# Altium PCB Bien_Quang_Cao_ver2_pcb.PcbDoc (part 1 of 2)
Units mil, origin at the board's own origin, x right, y up, seen from the top; angles counter-clockwise.
Board outline 8661.42 x 3937.01 mil, 2 copper layers (Top Layer, Bottom Layer); 176 components, 159 nets, 499 pads, 189 vias.
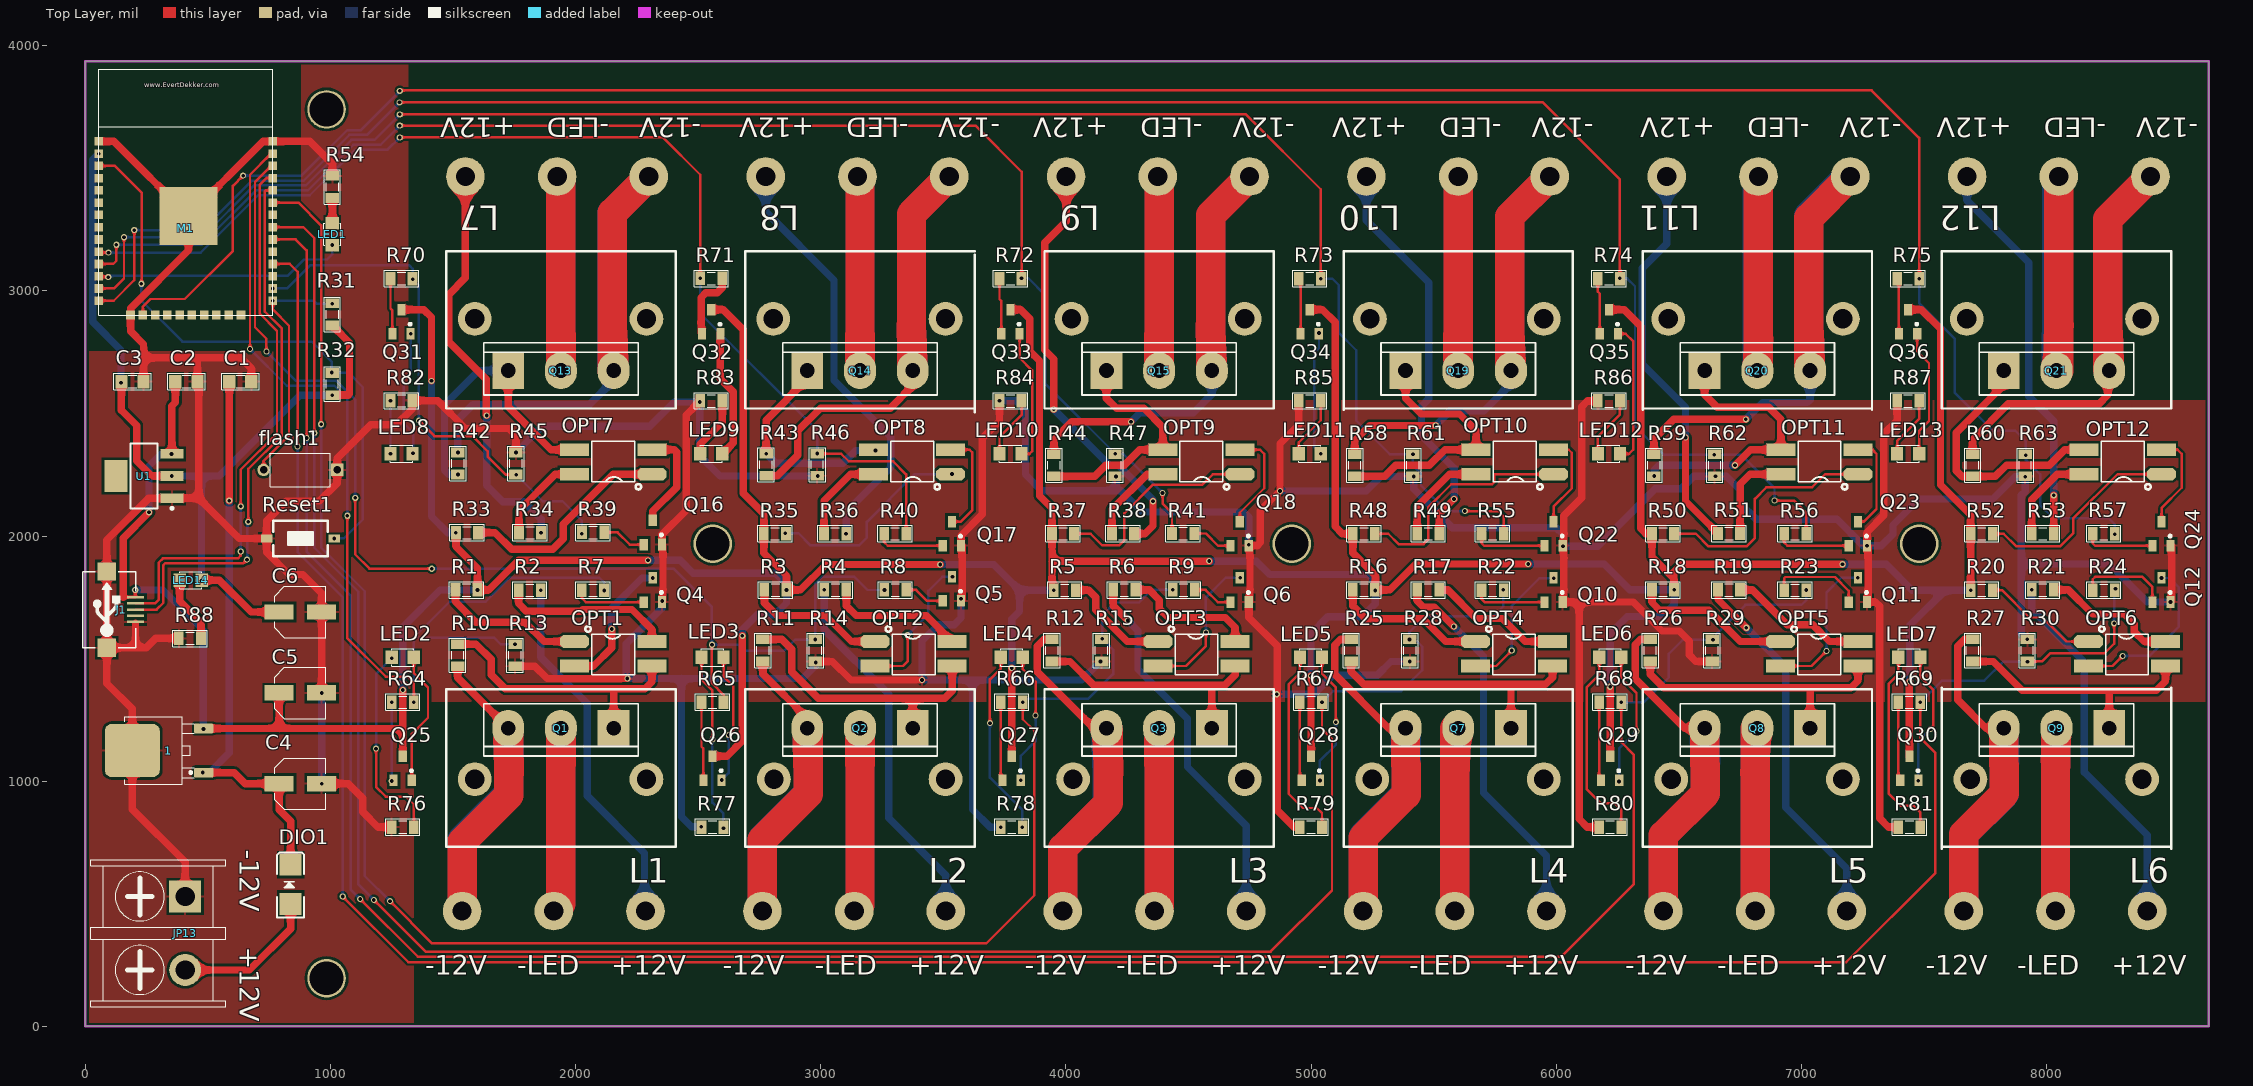
[diagram p0: Top Layer view]
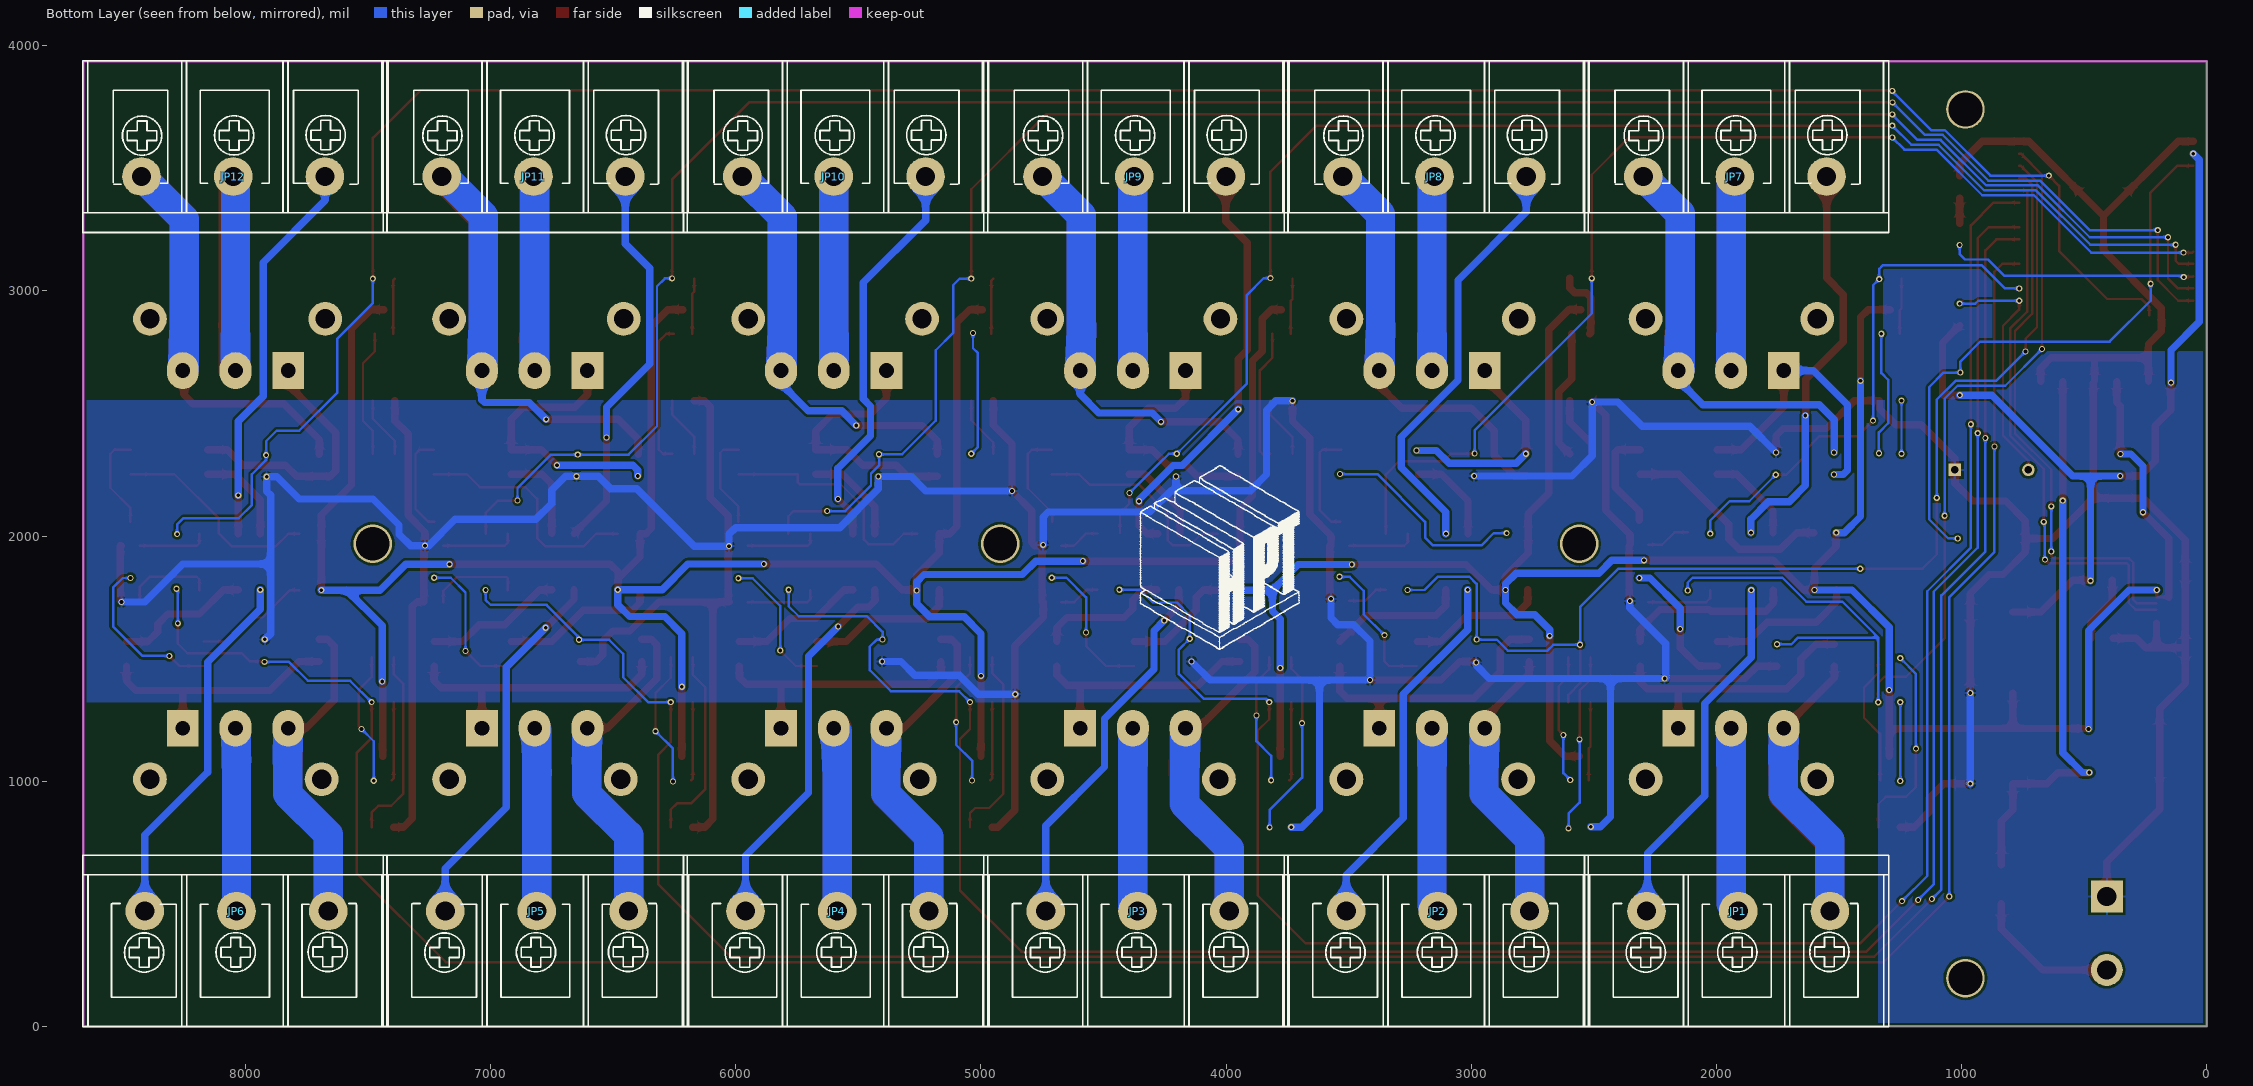
[diagram p1: Bottom Layer view, seen from below]
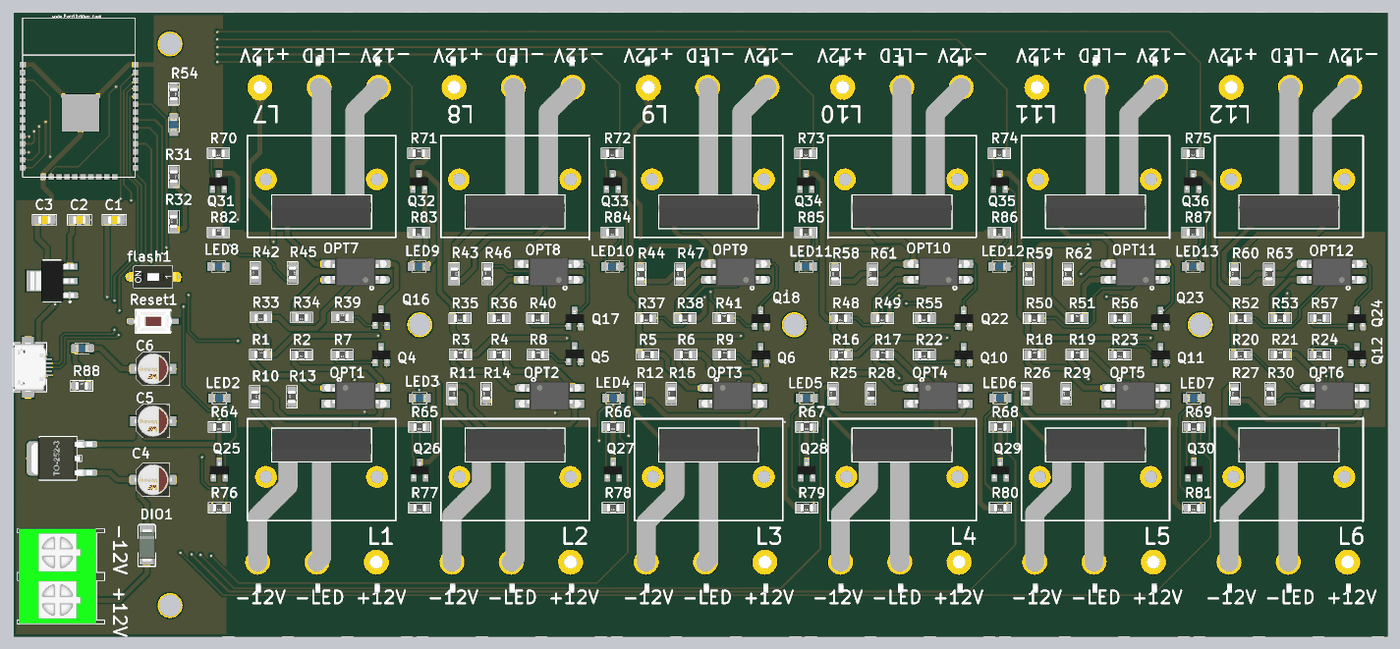
[diagram p3: 3D render of the assembled board from above, using the file's embedded part models]
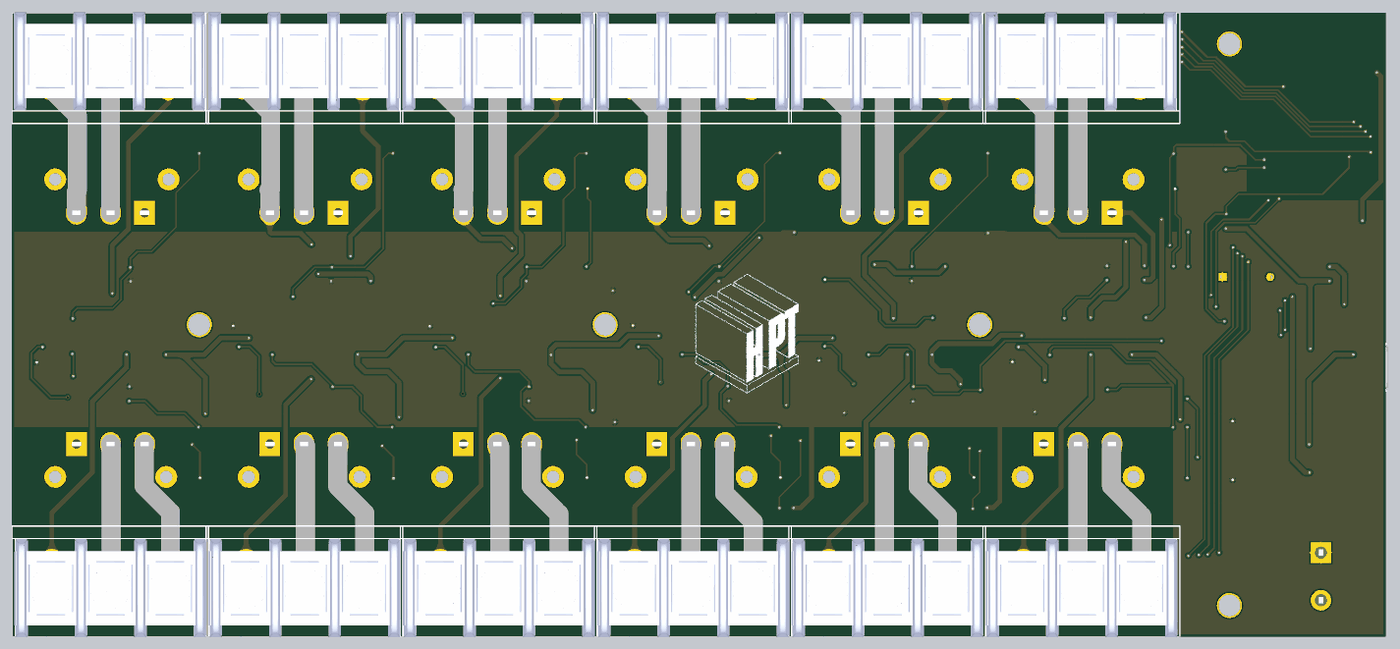
[diagram p4: 3D render of the assembled board from below, using the file's embedded part models]

## Layer stack, top to bottom
Top Solder: solder mask 0.4, Solder Resist, Dk 3.5
Top Layer: signal copper 1.4
Dielectric 1: dielectric 12.6, FR-4, Dk 4.8
Bottom Layer: signal copper 1.4
Bottom Solder: solder mask 0.4, Solder Resist, Dk 3.5

## Board outline
0,0 0,3937.01 8661.42,3937.01 8661.42,0

## Design rules (kind name [scope] priority, off if disabled: settings)
Clearance [All] p1: gap=10
PolygonConnect [All] p1: connectstyle=Relief reliefconductorwidth=10 reliefentries=4 polygonreliefangle="90 Angle" airgapwidth=10
RoomDefinition Bien_Quang_Cao_ver2_schematic [InComponentClass('Bien_Quang_Cao_ver2_schematic')] p1: confinementstyle=ConfineIn formatcopy=TRUE lockcomponents=FALSE outline 9102.46,-20.25 23392.46,-20.25 23392.46,1299.75 9102.46,1299.75
RoutingVias [All] p1: holewidth=15 width=25 viastyle="Through Hole" minholewidth=15 minwidth=25 maxholewidth=28 maxwidth=50
SolderMaskExpansion [All] p1: expansion=4
Width [All] p1: maxlimit=150 minlimit=10 preferedwidth=10
30 further rules are at their usual default settings.

## Components (designator, comment, footprint, x,y, rotation, side; value= is the part's Value field where it differs from the comment)
1 "LM78xx" TO252-123 337.54,1125.26 r90 top
C1 "104" SM-CAP-0805 677.54,2630.26 r180 top
C2 "104" SM-CAP-0805 457.54,2630.26 r180 top
C3 "104" SM-CAP-0805 237.54,2630.26 r180 top
C4 "CN-ALU-SMD" CAP-ALU-SMD-5x5.5x1.4 877.54,990.26 r0 top
C5 "CN-ALU-SMD" CAP-ALU-SMD-5x5.5x1.4 877.54,1360.26 r0 top
C6 "CN-ALU-SMD" CAP-ALU-SMD-5x5.5x1.4 877.54,1690.26 r0 top
DIO1 "Diode SMD" DIO-SMD-106 837.54,580 r270 top
flash1 "SW" SW-DIP1 877.54,2270 r90 top
J1 "USB-5" USB-M1 205,1700 r90 top
JP1 "JP3" "CON 3/9.5mm - CHAN LECH" 2285,470.5 r180 bottom
JP2 "JP3" "CON 3/9.5mm - CHAN LECH" 3509.98,470.5 r180 bottom
JP3 "JP3" "CON 3/9.5mm - CHAN LECH" 4734.97,470.5 r180 bottom
JP4 "JP3" "CON 3/9.5mm - CHAN LECH" 5959.95,470.5 r180 bottom
JP5 "JP3" "CON 3/9.5mm - CHAN LECH" 7184.93,470.5 r180 bottom
JP6 "JP3" "CON 3/9.5mm - CHAN LECH" 8409.92,470.5 r180 bottom
JP7 "JP3" "CON 3/9.5mm - CHAN LECH" 1550.54,3466.51 r0 bottom
JP8 "JP3" "CON 3/9.5mm - CHAN LECH" 2775.52,3466.51 r0 bottom
JP9 "JP3" "CON 3/9.5mm - CHAN LECH" 4000.5,3466.51 r0 bottom
JP10 "JP3" "CON 3/9.5mm - CHAN LECH" 5225.49,3466.51 r0 bottom
JP11 "JP3" "CON 3/9.5mm - CHAN LECH" 6450.47,3466.51 r0 bottom
JP12 "JP3" "CON 3/9.5mm - CHAN LECH" 7675.45,3466.51 r0 bottom
JP13 "JP2" "CON 2/7.62mm" 407.54,530.26 r270 top
LED1 "LED" LED-0805-Blue 1007.5,3186 r90 top
LED2 "LED" LED-0805-Blue 1340,1505 r180 top
LED3 "LED" LED-0805-Blue 2603.48,1505 r180 top
LED4 "LED" LED-0805-Blue 3823.86,1505 r180 top
LED5 "LED" LED-0805-Blue 5044.24,1505 r180 top
LED6 "LED" LED-0805-Blue 6264.62,1505 r180 top
LED7 "LED" LED-0805-Blue 7485,1505 r180 top
LED8 "LED" LED-0805-Blue 1335,2335.69 r180 top
LED9 "LED" LED-0805-Blue 2598.48,2335.69 r180 top
LED10 "LED" LED-0805-Blue 3818.86,2335.69 r180 top
LED11 "LED" LED-0805-Blue 5039.24,2335.69 r180 top
LED12 "LED" LED-0805-Blue 6259.62,2335.69 r180 top
LED13 "LED" LED-0805-Blue 7480,2335.69 r180 top
LED14 "LED" LED-0805-Blue 475,1820 r180 top
M1 "ESP32S_Module" ESP32S 55,2900 r0 top
OPT1 "PC817" "DIP-4 SMD" 1996.04,1570 r0 top
OPT2 "PC817" "DIP-4 SMD" 3221.04,1570 r0 top
OPT3 "PC817" "DIP-4 SMD" 4375,1570 r0 top
OPT4 "PC817" "DIP-4 SMD" 5670.04,1570 r0 top
OPT5 "PC817" "DIP-4 SMD" 6915,1570 r0 top
OPT6 "PC817" "DIP-4 SMD" 8170,1570 r0 top
OPT7 "PC817" "DIP-4 SMD" 2311,2252.2 r180 top
OPT8 "PC817" "DIP-4 SMD" 3530,2252.2 r180 top
OPT9 "PC817" "DIP-4 SMD" 4709.96,2252.2 r180 top
OPT10 "PC817" "DIP-4 SMD" 5988,2252.2 r180 top
OPT11 "PC817" "DIP-4 SMD" 7231,2252.2 r180 top
OPT12 "PC817" "DIP-4 SMD" 8468,2252.2 r180 top
Q1 "IRF9540" TO247 1940.04,1221.32 r180 top
Q2 "IRF9540" TO247 3160.04,1221.32 r180 top
Q3 "IRF9540" TO247 4380.04,1221.32 r180 top
Q4 "C1815" SOT23B 2315,1780 r0 top
Q5 "C1815" SOT23B 3535,1785 r0 top
Q6 "C1815" SOT23B 4708.96,1780 r0 top
Q7 "IRF9540" TO247 5600.04,1221.32 r180 top
Q8 "IRF9540" TO247 6820.04,1221.32 r180 top
Q9 "IRF9540" TO247 8040.04,1221.32 r180 top
Q10 "C1815" SOT23B 5989,1780 r0 top
Q11 "C1815" SOT23B 7230,1780 r0 top
Q12 "C1815" SOT23B 8468.48,1780 r0 top
Q13 "IRF9540" TO247 1940.04,2670 r0 top
Q14 "IRF9540" TO247 3160.04,2670 r0 top
Q15 "IRF9540" TO247 4380.04,2670 r0 top
Q16 "C1815" SOT23B 2315,2014.5 r0 top
Q17 "C1815" SOT23B 3535,2010 r0 top
Q18 "C1815" SOT23B 4708.96,2010 r0 top
Q19 "IRF9540" TO247 5600.04,2670 r0 top
Q20 "IRF9540" TO247 6820.04,2670 r0 top
Q21 "IRF9540" TO247 8040.04,2670 r0 top
Q22 "C1815" SOT23B 5989,2010 r0 top
Q23 "C1815" SOT23B 7230,2010 r0 top
Q24 "C1815" SOT23B 8468.48,2010 r0 top
Q25 "C1815" SOT23B 1295,1053 r0 top
Q26 "C1815" SOT23B 2558.48,1053 r0 top
Q27 "C1815" SOT23B 3778.86,1053 r0 top
Q28 "C1815" SOT23B 4999.24,1053 r0 top
Q29 "C1815" SOT23B 6219.62,1053 r0 top
Q30 "C1815" SOT23B 7440,1053 r0 top
Q31 "C1815" SOT23B 1290,2874.26 r0 top
Q32 "C1815" SOT23B 2553.48,2874.26 r0 top
Q33 "C1815" SOT23B 3773.86,2874.26 r0 top
Q34 "C1815" SOT23B 4994.24,2874.26 r0 top
Q35 "C1815" SOT23B 6214.62,2874.26 r0 top
Q36 "C1815" SOT23B 7435,2874.26 r0 top
R1 "1K" RES-SMD-0805 1555.04,1780.5 r0 top
R2 "1K" RES-SMD-0805 1812.84,1779.5 r180 top
R3 "1K" RES-SMD-0805 2815,1780.5 r0 top
R4 "1K" RES-SMD-0805 3059.48,1780.5 r0 top
R5 "1K" RES-SMD-0805 3995.04,1779.5 r180 top
R6 "1K" RES-SMD-0805 4237.49,1780.5 r0 top
R7 "1K" RES-SMD-0805 2070.64,1779.5 r180 top
R8 "1K" RES-SMD-0805 3303.96,1780.5 r0 top
R9 "1K" RES-SMD-0805 4479.95,1780.5 r0 top
R10 "10K" RES-SMD-0805 1519.04,1514 r270 top
R11 "10K" RES-SMD-0805 2764,1533.6 r270 top
R12 "10K" RES-SMD-0805 3943.04,1533.6 r90 top
R13 "10K" RES-SMD-0805 1753,1514 r90 top
R14 "10K" RES-SMD-0805 2978.24,1533.6 r90 top
R15 "10K" RES-SMD-0805 4145.24,1533.6 r90 top
R16 "1K" RES-SMD-0805 5215.04,1780.5 r0 top
R17 "1K" RES-SMD-0805 5477.51,1780.5 r0 top
R18 "1K" RES-SMD-0805 6435.04,1780.5 r0 top
R19 "1K" RES-SMD-0805 6704.51,1780.5 r0 top
R20 "1K" RES-SMD-0805 7735,1779.5 r180 top
R21 "1K" RES-SMD-0805 7983.97,1780.5 r0 top
R22 "1K" RES-SMD-0805 5739.97,1779.5 r180 top
R23 "1K" RES-SMD-0805 6973.98,1779.5 r180 top
R24 "1K" RES-SMD-0805 8232.95,1779.5 r180 top
R25 "10K" RES-SMD-0805 5163.04,1533.6 r90 top
R26 "10K" RES-SMD-0805 6383.04,1533.6 r90 top
R27 "10K" RES-SMD-0805 7698,1533.6 r90 top
R28 "10K" RES-SMD-0805 5402.76,1533.6 r90 top
R29 "10K" RES-SMD-0805 6635.24,1533.6 r90 top
R30 "10K" RES-SMD-0805 7921.22,1533.6 r270 top
R31 "10K" RES-SMD-0805 1008,2904 r270 top
R32 "10K" RES-SMD-0805 1007,2620 r90 top
R33 "1K" RES-SMD-0805 1557,2014 r180 top
R34 "1K" RES-SMD-0805 1814.15,2014 r180 top
R35 "1K" RES-SMD-0805 2813.04,2009.5 r180 top
R36 "1K" RES-SMD-0805 3058.17,2009.5 r180 top
R37 "1K" RES-SMD-0805 3988,2009.5 r180 top
R38 "1K" RES-SMD-0805 4232.8,2009.5 r180 top
R39 "1K" RES-SMD-0805 2071.3,2015 r0 top
R40 "1K" RES-SMD-0805 3303.31,2009.5 r180 top
R41 "1K" RES-SMD-0805 4477.6,2010.5 r0 top
R42 "10K" RES-SMD-0805 1520,2296 r90 top
R43 "10K" RES-SMD-0805 2777.04,2291 r270 top
R44 "10K" RES-SMD-0805 3951,2288.6 r90 top
R45 "10K" RES-SMD-0805 1756.76,2296 r270 top
R46 "10K" RES-SMD-0805 2985.24,2291 r90 top
R47 "10K" RES-SMD-0805 4200,2288.6 r90 top
R48 "1K" RES-SMD-0805 5215.04,2009.5 r180 top
R49 "1K" RES-SMD-0805 5477.51,2009.5 r180 top
R50 "1K" RES-SMD-0805 6435.04,2009.5 r180 top
R51 "1K" RES-SMD-0805 6704.51,2010.5 r0 top
R52 "1K" RES-SMD-0805 7735,2009.5 r180 top
R53 "1K" RES-SMD-0805 7983.97,2009.5 r180 top
R54 "10K" RES-SMD-0805 1008,3424 r270 top
R55 "1K" RES-SMD-0805 5739.97,2009.5 r180 top
R56 "1K" RES-SMD-0805 6973.98,2009.5 r180 top
R57 "1K" RES-SMD-0805 8232.95,2010 r180 top
R58 "10K" RES-SMD-0805 5178.04,2288.6 r90 top
R59 "10K" RES-SMD-0805 6398.04,2288.6 r90 top
R60 "10K" RES-SMD-0805 7698,2288.6 r90 top
R61 "10K" RES-SMD-0805 5415.26,2288.6 r90 top
R62 "10K" RES-SMD-0805 6645.76,2288.6 r90 top
R63 "10K" RES-SMD-0805 7912.48,2288.6 r90 top
R64 "1K" RES-SMD-0805 1295,1322.68 r180 top
R65 "1K" RES-SMD-0805 2558.48,1322.68 r180 top
R66 "1K" RES-SMD-0805 3778.86,1322.68 r180 top
R67 "1K" RES-SMD-0805 4999.24,1322.68 r180 top
R68 "1K" RES-SMD-0805 6219.62,1322.68 r180 top
R69 "1K" RES-SMD-0805 7440,1322.68 r180 top
R70 "1K" RES-SMD-0805 1290,3050.05 r180 top
R71 "1K" RES-SMD-0805 2553.48,3051.05 r0 top
R72 "1K" RES-SMD-0805 3773.86,3050.05 r180 top
R73 "1K" RES-SMD-0805 4994.24,3050.05 r180 top
R74 "1K" RES-SMD-0805 6214.62,3050.05 r180 top
R75 "1K" RES-SMD-0805 7435,3050.05 r180 top
R76 "1K" RES-SMD-0805 1295,813 r180 top
R77 "1K" RES-SMD-0805 2558.48,813 r180 top
R78 "1K" RES-SMD-0805 3778.86,813 r180 top
R79 "1K" RES-SMD-0805 4999.24,813 r180 top
R80 "1K" RES-SMD-0805 6219.62,813 r180 top
R81 "1K" RES-SMD-0805 7440,813 r180 top
R82 "1K" RES-SMD-0805 1290,2552.32 r0 top
R83 "1K" RES-SMD-0805 2553.48,2551.32 r180 top
R84 "1K" RES-SMD-0805 3773.86,2551.32 r180 top
R85 "1K" RES-SMD-0805 4994.24,2551.32 r180 top
R86 "1K" RES-SMD-0805 6214.62,2551.32 r180 top
R87 "1K" RES-SMD-0805 7435,2551.32 r180 top
R88 "10K" RES-SMD-0805 427,1583 r0 top
Reset1 "SW" SW1-SMD 877.54,1990.26 r180 top
U1 "LM1117-3.3V" SOT223 239.26,2245 r90 top

## Footprints (in the part's own frame and the unit in brackets; to place one, negate y for a bottom-side part, rotate by r counter-clockwise, add the part's x,y. Pads: shape width x height; smd on the part's side, far side on the other; paste and mask are expansions set on the pad)
CAP-ALU-SMD-5x5.5x1.4 [mm]
  rect 3x1.6 smd: 1(-2.2,0) 2(2.2,0)
  silkscreen extent -2.65,-2.65 2.65,2.65, body extent -3,-2.65 3,2.65, height 5.45
"CON 2/7.62mm" [mm] "CON 2 HB9500-2P 9.5MM"
  rect 3.3x3.3 hole 2: 1(0,0)
  round 3.3 hole 2: 2(7.62,0)
  silkscreen extent -3.81,-9.78 11.43,4.19, body extent -3.84,-9.63 11.4,2.87, height 12.5
"CON 3/9.5mm - CHAN LECH" [mm] "CON 2 HB9500-2P 9.5MM"
  round 4 hole 2: 1(0,0) 2(9.5,0) 3(19,0)
  silkscreen extent -6.43,-11.99 25.08,5.79, body extent -5.99,-12.07 24.74,3.68, height 16.76
DIO-SMD-106 [mil]
  rect 90x90.55 smd: 1(80,0) 2(-80,0)
  silkscreen extent -130,-55 135,55, body extent -99,-50 106,52, height 95
"DIP-4 SMD" [mm]
  oct 3x1.3 smd: 1(0,0)
  rect 3x1.3 smd: 2(0,-2.54) 3(8,-2.54) 4(8,0)
  silkscreen extent 1.11,-3.43 6.22,1.58, body extent -1,-3.56 9,1.02, height 3.75
ESP32S [mm] "ESP32S-Module"
  rect 0.9x0.9 smd: 1(0,18.034) 2(0,16.764) 3(0,15.494) 4(0,14.224) 5(0,12.954) 6(0,11.684) 7(0,10.414) 8(0,9.144) 9(0,7.874) 10(0,6.604) 11(0,5.334) 12(0,4.064) 13(0,2.794) 14(0,1.524) 15(3.3,0.034) 16(4.57,0.034) 17(5.84,0.034) 18(7.11,0.034) 19(8.38,0.034) 20(9.65,0.034) 21(10.92,0.034) 22(12.19,0.034) 23(13.46,0.034) 24(14.73,0.034) 25(18.034,1.524) 26(18.034,2.794) 27(18.034,4.064) 28(18.034,5.334) 29(18.034,6.604) 30(18.034,7.874) 31(18.034,9.144) 32(18.034,10.414) 33(18.034,11.684) 34(18.034,12.954) 35(18.034,14.224) 36(18.034,15.494) 37(18.034,16.764) 38(18.034,18.034)
  rect 6x6 smd: 101(9.3,10.3)
  silkscreen extent 0,0 18.03,25.53, body extent 0,0 18.03,25.53, height 2
LED-0805-Blue [mil]
  rect 50x55 smd: 1(0,0) 2(90,0)
  silkscreen extent 0,-35 90,35, body extent 5,-25 85,25, height 43
RES-SMD-0805 [mil]
  rect 39.37x55 smd: 1(-45,0) 2(45,0)
  silkscreen extent -70,-34 70,33, body extent -39,-25 39,25, height 31
SM-CAP-0805 [mil]
  rect 50x55 smd: 1(0,0) 2(90,0)
  silkscreen extent -32,-34 121,33, body extent 6,-25 84,25, height 31
SOT23B [mm] "SOT 23B"
  rect 0.85x1.2 smd: 1(0.94,-1.245) 2(0,1.25) 3(-0.95,-1.25)
  silkscreen extent 0.77,-0.38 1.02,-0.13, body extent -1.5,-1.3 1.5,1.2, height 1.06
SOT223 [mm]
  rect 1x2.4 smd: 1(-2.3,-2.9) 2(0,-2.9) 3(2.3,-2.9)
  rect 3.3x2.4 smd: 4(0,2.9)
  silkscreen extent -3.47,-3.03 3.35,1.4, body extent -3.25,-3.56 3.25,3.4, height 1.68
SW1-SMD [mm]
  rect 1.2x0.8 smd: 1(-3.5,0) 2(3.5,0)
  silkscreen extent -2.82,-1.85 2.82,1.85, body extent -3.05,-1.85 3.05,1.85, height 2.5
SW-DIP1 [mm]
  rect 1.3x1.3 hole 0.8: 1(0,-3.81)
  round 1.3 hole 0.8: 2(0,3.81)
  silkscreen extent -1.74,-3.1 1.74,3.1, body extent -1.74,-3.98 1.74,3.89, height 3.95
TO247 [mil] "TO247"
  rect 130x150 hole 60: 1(-215,5)
  oval 130x150 hole 60: 2(0,5) 3(215,5)
  silkscreen extent -315,-95 315,118, body extent -315,-82 315,115, height 1400
TO252-123 [mm]
  round 0.5 on Mech15: 0(0,0)
  rrect25% 1x2 smd: 1(-2.285,-3.7) 3(2.285,-3.7)
  rrect25% 5.5x5.7 smd: 2(0,3.7)
  silkscreen extent -3.5,-2.7 3.5,4.5, body extent -3.3,-3.95 3.3,5.76, height 2.31
USB-M1 [mil]
  rect 10x70 smd: 1(51.18,0) 2(25.59,0) 3(0,0) 4(-25.59,0) 5(-50,0)
  rect 74.8x74.8 smd: 5(-155.51,116.84) 5(155.51,116.84)
  silkscreen extent -155,-1 155,215, body extent -157,5 158,218, height 107

## Part data
1: "Positive Voltage Regulator"
C1 C2 C3: library part CN
C4 C5 C6: "Polarized Capacitor (Axial)"
DIO1: "Default Diode"
flash1 Reset1: library part SW2, "Switch button 2 pin"
JP1 JP2 JP3 JP4 JP5 JP6 JP7 JP8 JP9 JP10 JP11 JP12: library part Con3, "Connector 3"
JP13: library part Con2, "Connector 2"
LED1 LED2 LED3 LED4 LED5 LED6 LED7 LED8 LED9 LED10 LED11 LED12 LED13 LED14: library part "LED SMD"
M1: "Esp-32S"
OPT1 OPT2 OPT3 OPT4 OPT5 OPT6 OPT7 OPT8 OPT9 OPT10 OPT11 OPT12: "OptoAcoplador 4 terminais"
Q1 Q2 Q3 Q7 Q8 Q9 Q13 Q14 Q15 Q19 Q20 Q21: "HEXFET P-Channel Power MOSFET"
Q4 Q5 Q6 Q10 Q11 Q12 Q16 Q17 Q18 Q22 Q23 Q24 Q25 Q26 Q27 Q28 Q29 Q30 Q31 Q32 Q33 Q34 Q35 Q36: "NPN 600mW, ECB"
R1 R2 R3 R4 R5 R6 R7 R8 R9 R10 R11 R12 R13 R14 R15 R16 R17 R18 R19 R20 R21 R22 R23 R24 R25 R26 R27 R28 R29 R30 R31 R32 R33 R34 R35 R36 R37 R38 R39 R40 R41 R42 R43 R44 R45 R46 R47 R48 R49 R50 R51 R52 R53 R54 R55 R56 R57 R58 R59 R60 R61 R62 R63 R64 R65 R66 R67 R68 R69 R70 R71 R72 R73 R74 R75 R76 R77 R78 R79 R80 R81 R82 R83 R84 R85 R86 R87 R88: library part Res-SMD, "Resistor"
U1: library part LM1117, "800mA Low-Dropout Linear Regulator"

## Free pads (board coordinates)
  round 157.48 hole 137.8: ""(984.25,196.85) ""(984.25,3740.16) ""(2559.06,1968.5) ""(4921.26,1968.5) ""(7480.32,1968.5)
  round 137.8 hole 78.74: ""(1588.88,1008.18) ""(1588.88,2885.82) ""(2288.88,1008.18) ""(2288.88,2885.82) ""(2805.88,2885.82) ""(2808.88,1008.18) ""(3508.88,1008.18) ""(3508.88,2885.82) ""(4022.88,2885.82) ""(4028.88,1008.18) ""(4728.88,1008.18) ""(4728.88,2885.82) ""(5239.88,2885.82) ""(5248.88,1008.18) ""(5948.88,1008.18) ""(5948.88,2885.82) ""(6456.88,2885.82) ""(6468.88,1008.18) ""(7168.88,1008.18) ""(7168.88,2885.82) ""(7673.88,2885.82) ""(7688.88,1008.18) ""(8388.88,1008.18) ""(8388.88,2885.82)

## Via types
v1: diameter 25, hole 15, Top Layer to Bottom Layer, tented both sides, 189 vias

## Nets (pads, with @x,y where several pads share a name; then routed paths per layer and width w, separated by ;. In a path a pad name is that pad's centre, name@x,y a point inside that pad or via, vN(x,y) a via of type N, cw(c..) or ccw(c..) an arc to the next point about the centre after c; other vN are vias at no path point)
3.3V: C3.2 C6.1 LED14.1 M1.2 R31.2 R32.1 U1.2 | length 3479.2
  Top Layer w30: C3.2@147.54,2630.26 147.54,2513.46 210,2451 210,2306 271,2245 v1(353.44,2245) ; LED14.1@475,1820 547,1820 676.74,1690.26 C6.1@790.92,1690.26 ; v1(1007,2575) 1073,2575 1078,2580 1078,2789 R31.2@1008,2859
  Bottom Layer w30: v1(55,3560) 30,3535 30,2874 146,2758 v1(146,2626) ; v1(353.44,2245) 474,2245 ; v1(474,1818) 474,2245 ; v1(1007,2575) 876,2575 546,2245 474,2245
5V: 1.3 C2.2 C5.1 J1.1 Q25.2 Q26.2 Q27.2 Q28.2 Q29.2 Q30.2 Q31.2 Q32.2 Q33.2 Q34.2 Q35.2 Q36.2 R1.2 R3.2 R5.2 R16.2 R18.2 R20.2 R33.2 R35.2 R37.2 R48.2 R50.2 R52.2 U1.3 | length 22033.9
  Top Layer w10: 154.82,1751.18 J1.1@205,1751.18 204,1752.18 v1(204,1780)
  Top Layer w30: 154.82,1751.18 154.82,1991.82 v1(260,2097) ; U1.3@353.44,2335.55 353.44,2530.44 367.54,2544.54 C2.2@367.54,2630.26 ; 1.3@483.21,1215.22 790.92,1215.22 ; C5.1@790.92,1360.26 790.92,1215.22 ; Q31.2@1290,2923.47 1380.53,2923.47 1412,2892 v1(1412,2633) ; Q25.2@1295,1102.21 1295,1215.22 ; v1(1295.32,1372) 1295.32,1215.53 1295,1215.22 ; R33.2@1512,2014 1512,1957 1600.03,1868.97 R1.2@1600.03,1780.5 1646.5,1780.5 1767,1901 v1(2295,1901) ; Q32.2@2553.48,2923.47 2601.53,2923.47 2684,2841 2684,2175 2768.04,2090.96 R35.2@2768.04,2009.5 2768.04,1930.96 2860,1839 R3.2@2860,1780.5 2917.5,1780.5 3021,1884 v1(3487,1884) ; Q26.2@2558.48,1102.21 2617.21,1102.21 2680,1165 v1(2680,1593) ; Q33.2@3773.86,2923.47 3815.53,2923.47 3852.59,2886.41 3852.59,2754.41 3892,2715 3892,2164 3943,2113 R37.2@3943,2009.5 3943,1898.02 ; Q27.2@3778.86,1102.21 v1(3778.86,1462.14) ; v1(3950.04,1779.5) 3943,1786.54 3943,1898.02 ; v1(4584.02,1898.02) 3943,1898.02 ; Q34.2@4994.24,2923.47 5046.53,2923.47 5098,2872 5098,2039 5127.5,2009.5 R48.2@5170.04,2009.5 5170.04,1931.96 5262,1840 R16.2@5262,1780.5 ; Q28.2@4999.24,1102.21 v1(4999.24,1429.76) ; R16.2@5260.03,1780.5 R16.2@5262,1780.5 ; v1(5885,1886) 5427,1886 5321.5,1780.5 R16.2@5262,1780.5 ; Q35.2@6214.62,2923.47 6276.53,2923.47 6344,2856 6344,2031 6365.5,2009.5 R50.2@6390.04,2009.5 6390.04,1915.96 6480.03,1825.97 ; Q29.2@6219.62,1102.21 v1(6219.62,1385.62) ; R18.2@6480.03,1780.5 6480.03,1825.97 ; v1(7167,1885) 6511,1885 6480.03,1854.03 6480.03,1825.97 ; Q36.2@7435,2923.47 7488.53,2923.47 7567,2845 7567,2209 7690,2086 R52.2@7690,2009.5 v1(7690,1779.5) ; Q30.2@7440,1102.21 7440,1405 v1(7442,1407) ; 790.92,1215.22 1295,1215.22
  Bottom Layer w30: v1(204,1780) 317,1780 482,1615 v1(482,1213) ; v1(260,2097) 260,2286 309,2335 v1(352,2335) ; v1(1295.32,1372) 1295.32,1627.68 1295,1628 1447,1780 v1(1599.53,1780) ; v1(1412,2633) 1412,2080 1478,2014 v1(1511,2014) ; v1(2295,1901) 2427,1901 2479,1849 2816,1849 2860,1805 v1(2860,1780) 2860,1727 2812,1679 2741,1679 2680,1618 v1(2680,1593) ; v1(3487,1884) 3706,1884 3810.5,1779.5 ; v1(3778.86,1462.14) 3778.86,1661.86 3810.5,1693.5 3810.5,1779.5 ; v1(3950.04,1779.5) 3810.5,1779.5 ; v1(4584.02,1898.02) 4775.98,1898.02 4831,1843 5232,1843 5262,1813 v1(5262,1778) 5262,1724 5209,1671 5068,1671 4999.24,1602.24 v1(4999.24,1429.76) ; v1(5885,1886) 6195,1886 6300,1781 v1(6481,1781) 6481,1720 6433,1672 6290,1672 6219.62,1601.62 v1(6219.62,1385.62) ; v1(7167,1885) 7345,1885 7450.5,1779.5 7586.5,1779.5 ; v1(7442,1407) 7442,1635 7586.5,1779.5 ; v1(7690,1779.5) 7586.5,1779.5
12V: DIO1.1 JP13.2 | length 601.2
  Top Layer w30: JP13.2@407.54,230.26 669.26,230.26 837.54,398.54 DIO1.1@837.54,500
GND: 1.2 C1.1 C2.1 C3.1 C4.2 C5.2 C6.2 flash1.1 J1.5 JP13.1 M1.1 M1.15 M1.38 M1.101 Q4.1 Q5.1 Q6.1 Q10.1 Q11.1 Q12.1 Q16.1 Q17.1 Q18.1 Q22.1 Q23.1 Q24.1 R13.1 R14.1 R15.1 R28.1 R29.1 R30.1 R45.1 R46.1 R47.1 R54.1 R61.1 R62.1 R63.1 R76.2 R77.2 R78.2 R79.2 R80.2 R81.2 R82.2 R83.2 R84.2 R85.2 R86.2 R87.2 R88.1 Reset1.2 U1.1 | length 30784.4
  Top Layer w30: M1.1@55,3610 116.65,3610 M1.101@421.14,3305.51 ; 205,1644.41 205,1544.49 ; C3.1@237.54,2630.26 237.54,2727 ; R88.1@382,1583 288,1583 249.49,1544.49 205,1544.49 ; JP13.1@407.54,530.26 407.54,670.46 191.87,886.13 1.2@191.87,1125.26 191.87,1295.13 88.16,1398.84 J1.5@88.16,1544.49 ; C1.1@677.54,2630.26 677.54,2684.46 635,2727 459,2727 ; v1(964.15,990.26) 1072.74,990.26 1132,931 1132,875 1194,813 R76.2@1250,813 ; v1(964.15,1360.26) C6.2@964.15,1690.26 964.15,1765.85 887,1843 831,1843 739.74,1934.26 Reset1.2@739.74,1990.26 ; R54.1@1008,3469 1008,3518 916,3610 M1.38@765,3610 725.63,3610 M1.101@421.14,3305.51 ; R13.1@1753,1469 1834,1469 1884,1419 v1(2211,1419) ; v1(1756.76,2341) 1756.76,2409.24 1727,2439 1551,2439 1437.68,2552.32 R82.2@1335,2552.32 1335,2520 1269,2454 1164,2454 1027.54,2317.54 flash1.1@1027.54,2270 1027.54,2215.54 955,2143 820,2143 739.74,2062.74 Reset1.2@739.74,1990.26 ; Q4.1@2352,1731 2356.73,1731 2356.73,1960.77 Q16.1@2352,1965.5 2352,2006 2452,2106 2452,2358.57 2451,2359.57 2451,2493.84 R83.2@2505.58,2548.42 ; R14.1@2978.24,1488.6 3047.4,1488.6 3123,1413 v1(3413,1413) ; Q5.1@3572,1736 3576.73,1740.73 3576.73,1961 Q17.1@3572,1961 3572,2002 3659,2089 3659,2399 3728.86,2468.86 v1(3728.86,2551.32) ; Q18.1@4746,1961 4780,1961 4793,1974 4793,2104 v1(4873,2184) 4873,2377 4949.24,2453.24 R85.2@4949.24,2551.32 ; Q18.1@4750.69,1956.27 4750.69,1731 Q6.1@4745.96,1731 4745.96,1668.04 4862,1552 4862,882 4931,813 R79.2@4954.24,813 ; Q10.1@6026,1731 Q10.1@6030.73,1731 ; Q22.1@6030.73,1956.27 Q10.1@6030.73,1731 ; Q22.1@6030.73,1965.73 6030.73,2082.73 6104,2156 6104,2528 6127.32,2551.32 R86.2@6169.62,2551.32 ; R80.2@6174.62,813 6126,813 6093,846 6093,1731 ; R29.1@6635.24,1488.6 6569.4,1488.6 6542,1516 6542,1572 6501,1613 6431.18,1613 6313.18,1731 6093,1731 ; R87.2@7390,2551.32 7390,2471 7336,2417 7336,2085 7267,2016 v1(7267,1961) 7271.73,1956.27 7271.73,1731 7302,1731 7319,1714 7319,849 7355,813 R81.2@7395,813 ; v1(7920.6,1578.6) R30.1@7921.22,1578.6 ; Q24.1@8505.48,1961 8510.21,1961 Q12.1@8510.21,1735.73 ; J1.5@88.16,1544.49 205,1544.49 ; J1.5@88.16,1544.49 J1.5@88.16,1855.51 88.16,1984.16 258.45,2154.45 U1.1@353.44,2154.45 463.55,2154.45 ; 237.54,2727 459,2727 ; 237.54,2727 237.54,2782.46 184.92,2835.08 M1.15@184.92,2901.34 184.92,2929.92 421.14,3166.14 M1.101@421.14,3305.51 ; 459,2727 457.54,2725.54 C2.1@457.54,2630.26 463.55,2624.24 463.55,2154.45 ; 463.55,2154.45 627.74,1990.26 Reset1.2@739.74,1990.26 ; Q10.1@6030.73,1731 6093,1731
  Bottom Layer w30: v1(964.15,990.26) v1(964.15,1360.26) ; v1(1756.76,2341) 1863.76,2448 2303,2448 2402,2547 v1(2507,2547) 2507,2327 2589,2245 v1(2988,2245) ; v1(2353,1735) 2353,1707 2207,1561 2207,1419 v1(2211,1419) 2432,1419 ; v1(2512,814) 2473,814 2432,855 2432,1419 ; v1(2980,1484) 2980,1473 2926,1419 2432,1419 ; v1(3572,1744) 3572,1667 3544,1639 3480,1639 3413,1572 v1(3413,1413) 3619,1413 ; v1(3728.86,2551.32) 3796.68,2551.32 3835,2513 3835,2251 3901,2185 4204,2185 ; v1(3733.86,813) 3691,813 3619,885 3619,1413 ; v1(4140.6,1488.6) 4065,1413 3619,1413 ; v1(4204,2243) 4204,2185 ; v1(4746,1964) 4746,2078 4726,2098 4311,2098 4224,2185 4204,2185 ; v1(4860,1355) 5011,1355 5088,1432 5269,1432 5325.6,1488.6 v1(5402.76,1488.6) ; v1(4873,2184) 5225,2184 5284,2243 v1(5418,2243) 5418,2192 5576,2034 6000,2034 6027,2007 v1(6027,1959) 6169,1959 6403,2193 6510,2193 6561,2244 v1(6649,2244) 6694,2244 6750,2188 6750,2133 6815,2068 7145,2068 7252,1961 v1(7267,1961) 7326,1961 7373,2008 7373,2045 7479,2151 7780,2151 7871,2242 v1(7913,2242) 7913,2182 7897,2166 7897,1886 ; v1(7920.6,1578.6) 7897,1602.2 7897,1886 ; v1(8505,1731) 8410,1731 8255,1886 7897,1886
IO2: M1.24
IO5: M1.29
IO15: M1.23
L1: M1.37 R7.1 R13.2 R64.1 | length 4328.8
  Top Layer w10: v1(672,2763) 672,3473.65 758.35,3560 M1.37@765,3560 ; v1(1069,2083) 1069,1583 1226,1426 1314,1426 1340,1400 R64.1@1340,1322.68 v1(1340,1322)
  Bottom Layer w10: v1(672,2763) 822,2613 1016,2613 1069,2560 v1(1069,2083) ; v1(1340,1322) 1340,1586 ; v1(1753,1559) 1694,1559 1667,1586 1340,1586 ; v1(2117,1778) 2117,1810 2097,1830 1731,1830 1633,1732 1486,1732 1340,1586
L2: M1.36 R8.1 R14.2 R65.1 | length 4831.6
  Top Layer w10: v1(739,2753) 739,2805 692.28,2851.72 692.28,3443.93 758.35,3510 M1.36@765,3510 ; v1(1101,2156) 1101,1925 1159,1867 v1(1413,1867) ; v1(2556,1557) 2556,1400 2603.48,1352.52 R65.1@2603.48,1322.68
  Bottom Layer w10: v1(739,2753) 859,2633 1024.28,2633 1101,2556.28 v1(1101,2156) ; v1(1413,1867) 2400,1867 2556,1711 v1(2556,1557) 2665,1557 2689,1533 2851,1533 2896,1578 v1(2978,1578) 2978,1805 3008,1835 3136,1835 3191,1780 v1(3260,1780)
L3: M1.33 R9.1 R15.2 R66.1 | length 7699.3
  Top Layer w10: M1.33@765,3360 869,3360 962,3267 v1(962,2456) ; v1(1243,511) 1415,339 3675,339 3871,535 3871,1206 3823.86,1253.14 v1(3823.86,1322.68)
  Bottom Layer w10: v1(962,2456) 962,1953 1140,1775 1140,614 v1(1243,511) ; v1(3823.86,1322.68) 3838.18,1337 4092,1337 4192,1437 4192,1537 v1(4148,1581) 4148,1677 4200,1729 4298,1729 4350,1781 v1(4435,1781)
L4: M1.31 R22.1 R28.2 R67.1 | length 9018.8
  Top Layer w10: M1.31@765,3260 889,3260 934.5,3214.5 934.5,2420 v1(934,2420) ; v1(1177,516) 1388,305 4835,305 5085,555 5085,1172 5044.24,1212.76 v1(5044.24,1322.68)
  Bottom Layer w10: v1(934,2420) 934,1952.72 1114,1772.72 1114,579 v1(1177,516) ; v1(5044.24,1322.68) 5088.56,1367 5367,1367 5453,1453 5453,1549 5424,1578 v1(5401,1578) 5401,1609 5465,1673 5743,1673 5784,1714 v1(5784,1781)
L5: M1.30 R23.1 R29.2 R68.1 | length 10099.9
  Top Layer w10: M1.30@765,3210 858,3210 903,3165 v1(903,2400) ; v1(1121,520) 1356,285 6021,285 6315,579 6315,1109 6264.62,1159.38 v1(6264.62,1322.68)
  Bottom Layer w10: v1(903,2400) 903,1937 1082,1758 1082,559 v1(1121,520) ; v1(6264.62,1322.68) 6357.68,1322.68 6459,1424 6459,1520 6516,1577 v1(6639,1577) 6639,1587 6771,1719 6999,1719 7020,1740 v1(7020,1780)
L6: M1.28 R24.1 R30.2 R69.1 | length 11333.5
  Top Layer w10: M1.28@765,3110 834,3110 866,3078 v1(866,2365) ; v1(1050,530) 1318,262 7182,262 7546,626 7546,1116 7485,1177 v1(7485,1322.68) ; R30.2@7921.22,1488.6 7980.6,1488.6 8015,1523 8237,1523 8275,1561 v1(8275,1644)
  Bottom Layer w10: v1(866,2365) 866,1935 1050,1751 v1(1050,530) ; v1(7485,1322.68) 7572.32,1410 7745,1410 7822,1487 v1(7922,1487) ; v1(8275,1644) 8275,1779 v1(8281,1785)
L7: M1.26 R39.1 R45.2 R70.1 | length 2144
  Top Layer w10: v1(1361,2471) 1424,2408 1579,2408 1641,2346 1641,2324 1714,2251 R45.2@1756.76,2251 v1(1757.76,2250)
  Bottom Layer w10: v1(765,3010) 823,3010 917,3104 1322,3104 1336,3090 v1(1336,3048) 1361,3023 v1(1361,2471) ; v1(1757.76,2250) 1865.76,2142 1946,2142 2025,2063 v1(2025,2010)
L8: M1.10 R40.1 R46.2 R71.1 | length 4686.7
  Top Layer w10: M1.10@55,3160 59,3156 v1(95,3156) ; v1(1283,3626) 2356,3626 2508.48,3473.52 v1(2508.48,3051.05) ; R46.2@2986,2336 3083,2336 3114,2305 3295,2305 3348.31,2251.69 R40.1@3348.31,2009.5
  Bottom Layer w10: v1(95,3156) 471,3156 705,3390 915.85,3390 1101.85,3576 1233,3576 v1(1283,3626) ; v1(2508.48,3051.05) 2508.48,2908.52 2986,2431 v1(2986,2337)
L9: M1.11 R41.1 R47.2 R72.1 | length 5878.3
  Top Layer w10: M1.11@55,3110 114,3110 127,3123 v1(127,3188) ; v1(1283,3674) 3631,3674 3818.86,3486.14 R72.1@3818.86,3052 ; v1(4394,2176) 4394,2133 4432.6,2094.4 R41.1@4432.6,2010.5
  Bottom Layer w10: v1(127,3188) 474.72,3188 696.72,3410 907.57,3410 1093.57,3596 1205,3596 v1(1283,3674) ; v1(3819,3052) 3846,3052 3916,2982 3916,2621 v1(4201,2336) 4233,2336 4271,2298 4272,2298 v1(4394,2176)
L10: M1.13 R55.1 R61.2 R73.1 | length 7423.5
  Top Layer w10: M1.13@55,3010 117,3010 158,3051 v1(158,3219) ; v1(1283,3720) 4734,3720 5039.24,3414.76 R73.1@5039.24,3050.05 ; v1(5627,2102) 5764,2102 5784.98,2081.02 R55.1@5784.98,2009.5
  Bottom Layer w10: v1(158,3219) 477.43,3219 688.43,3430 899.28,3430 1085.28,3616 1179,3616 v1(1283,3720) ; v1(5039,3050) 5086,3050 5113,3023 5113,2829 5184,2758 5184,2471 5321.4,2333.6 v1(5415.26,2333.6) 5415.26,2288.17 5448,2255.43 5448,2207 5553,2102 v1(5627,2102)
L11: M1.14 R56.1 R62.2 R74.1 | length 8799.3
  Top Layer w10: M1.14@55,2960 116,2960 200,3044 v1(200,3248) ; v1(1282,3769) 5945,3769 6259.62,3454.38 R74.1@6259.62,3051 ; v1(6890,2145) 6970,2145 7018.98,2096.02 R56.1@7018.98,2009.5
  Bottom Layer w10: v1(200,3248) 478.15,3248 680.15,3450 891,3450 1077,3636 1149,3636 v1(1282,3769) ; v1(6259,3051) 6289,3051 6321,3019 6321,2448 6437,2332 v1(6644,2332) 6754,2332 6890,2196 v1(6890,2145)
L12: M1.16 R57.1 R63.2 R75.1 | length 10018.9
  Top Layer w10: M1.16@234.92,2901.34 234.92,2935.92 266,2967 406,2967 602,3163 602,3428 v1(644,3470) ; v1(1283,3816) 1281,3818 7286,3818 7480,3624 v1(7480,3050.05)
  Bottom Layer w10: v1(644,3470) 882.72,3470 1068.72,3656 1124,3656 1284,3816 v1(1283,3816) ; v1(7480,3050.05) 7480,2950 7626,2804 7626,2584 7780,2430 7872,2430 7915,2387 v1(7915,2330) 7915,2310 7973,2252 7973,2127 8027,2073 8252,2073 8278,2047 v1(8278,2008)
Net1_1: 1.1 C1.2 C4.1 DIO1.2 | length 2331.6
  Top Layer w30: 1.1@483.21,1035.3 607.7,1035.3 652.74,990.26 C4.1@790.92,990.26 790.92,884.08 837.54,837.46 DIO1.2@837.54,660 ; v1(587.54,2144.46) C1.2@587.54,2630.26
  Bottom Layer w30: v1(479,1036) 507,1036 587.54,1116.54 v1(587.54,2144.46)
Netflash1_2: flash1.2 M1.25 R31.1 | length 1023.7
  Top Layer w10: flash1.2@727.54,2270 727.54,2306.54 831,2410 831,2858 765,2924 v1(765,2960) ; R31.1@997,2960 R31.1@1008,2949
  Bottom Layer w10: v1(765,2960) 932,2960 944,2948 v1(1008,2948)
NetJP1_1: JP1.1 R2.1 | length 1485.9
  Bottom Layer w30: v1(1857.84,1779.5) 1857.84,1506.16 2047,1317 2047,941 2281,707 2281,474.5 JP1.1@2285,470.5
NetJP1_2: JP1.2 Q1.2 | length 1515.7
  Top Layer w120: JP1.2@1910.98,470.5 1940.04,499.55 Q1.2@1940.04,1216.32
  Bottom Layer w120: JP1.2@1910.98,470.5 1940.04,499.55 Q1.2@1940.04,1216.32
NetJP1_3: JP1.3 Q1.3 R10.2 | length 1953.8
  Top Layer w30: R10.2@1519.04,1469 1519.04,1422.32 Q1.3@1725.04,1216.32
  Top Layer w120: JP1.3@1536.97,470.5 1536.97,752.97 1727.77,943.77 Q1.3@1727.77,1180.58
  Bottom Layer w120: JP1.3@1536.97,470.5 1536.97,760.97 1645.28,869.28 1646.41,869.28 1727.77,950.65 1727.77,1213.58 Q1.3@1725.04,1216.32
NetJP2_1: JP2.1 R4.1 | length 1515.2
  Bottom Layer w30: v1(3014.48,1780.5) 3014.48,1618.52 3277,1356 3277,850 3509.98,617.02 JP2.1@3509.98,470.5
NetJP2_2: JP2.2 Q2.2 | length 1511.6
  Top Layer w120: JP2.2@3135.97,470.5 3160.04,494.57 Q2.2@3160.04,1216.32
  Bottom Layer w120: JP2.2@3135.97,470.5 3160.04,494.57 Q2.2@3160.04,1216.32
NetJP2_3: JP2.3 Q2.3 R11.2 | length 1995.4
  Top Layer w30: R11.2@2764,1488.6 2764,1438 2948.07,1253.93 Q2.3@2948.07,1224.85
  Top Layer w120: JP2.3@2761.95,470.5 2761.95,761.95 2948.07,948.07 Q2.3@2948.07,1224.85
  Bottom Layer w120: JP2.3@2761.95,470.5 2761.95,763.95 2947.77,949.77 2947.77,1213.58 Q2.3@2945.04,1216.32
NetJP3_1: JP3.1 R6.1 | length 1534.7
  Top Layer w30: R6.1@4192.49,1780.5 4192.49,1715.51 v1(4252,1656)
  Bottom Layer w30: v1(4252,1656) 4294,1614 4294,1457 4496,1255 4496,1058 4734.97,819.03 JP3.1@4734.97,470.5
NetJP3_2: JP3.2 Q3.2 | length 1507.4
  Top Layer w120: JP3.2@4360.95,470.5 4380.04,489.59 Q3.2@4380.04,1216.32
  Bottom Layer w120: JP3.2@4360.95,470.5 4380.04,489.59 Q3.2@4380.04,1216.32
NetJP3_3: JP3.3 Q3.3 R12.2 | length 2201.1
  Top Layer w30: R12.2@3943.04,1578.6 3910.6,1578.6 3883,1551 3883,1447 4113.68,1216.32 Q3.3@4165.04,1216.32
  Top Layer w120: JP3.3@3986.94,470.5 3986.94,725.94 4173.05,912.05 4173.05,1208.31 Q3.3@4165.04,1216.32
  Bottom Layer w120: JP3.3@3986.94,470.5 3986.94,724.94 4167.77,905.77 4167.77,1213.58 Q3.3@4165.04,1216.32
NetJP4_1: JP4.1 R17.1 | length 1554.8
  Top Layer w30: R17.1@5432.5,1780.5 5432.5,1735.5 5457,1711 5502,1711 v1(5582,1631)
  Bottom Layer w30: v1(5582,1631) 5703,1510 5703,953 5959.95,696.05 JP4.1@5959.95,470.5
NetJP4_2: JP4.2 Q7.2 | length 1497.5
  Top Layer w120: JP4.2@5585.93,470.5 Q7.2@5585.93,1216.32
  Bottom Layer w120: JP4.2@5585.93,470.5 5585.93,1202.22 Q7.2@5600.04,1216.32
NetJP4_3: JP4.3 Q7.3 R25.2 | length 2214.3
  Top Layer w30: R25.2@5163.04,1578.6 5119.6,1578.6 5096,1555 5096,1436 5315.68,1216.32 Q7.3@5385.04,1216.32
  Top Layer w120: JP4.3@5211.92,470.5 5211.92,769.92 5387.77,945.77 5387.77,1065.71 5385.04,1068.45 Q7.3@5385.04,1216.32
  Bottom Layer w120: JP4.3@5211.92,470.5 5211.92,774.79 5387.77,950.65 Q7.3@5387.77,1216.32
NetJP5_1: JP5.1 R19.1 | length 1527.6
  Top Layer w30: R19.1@6659.5,1780.5 6659.5,1741.5 v1(6775,1626)
  Bottom Layer w30: v1(6775,1626) 6936,1465 6936,893 7184.93,644.07 JP5.1@7184.93,470.5
NetJP5_2: JP5.2 Q8.2 | length 1495.4
  Top Layer w120: JP5.2@6810.92,470.5 Q8.2@6810.92,1216.32
  Bottom Layer w120: JP5.2@6810.92,470.5 6810.92,1207.2 Q8.2@6820.04,1216.32
NetJP5_3: JP5.3 Q8.3 R26.2 | length 2209.9
  Top Layer w30: R26.2@6383.04,1578.6 6343.6,1578.6 6322,1557 6322,1418 6523.68,1216.32 Q8.3@6605.04,1216.32
  Top Layer w120: JP5.3@6436.9,470.5 6436.9,779.77 6607.77,950.65 6607.77,1065.71 6605.04,1068.45 Q8.3@6605.04,1216.32
  Bottom Layer w120: JP5.3@6436.9,470.5 6436.9,779.77 6607.77,950.65 Q8.3@6607.77,1216.32